# Altium PCB LJ_Mosfet_Power.PcbDoc (part 1 of 5)
Units mm, origin at the board's own origin, x right, y up, seen from the top; angles counter-clockwise.
Board outline 152.51 x 130.13 mm, 2 copper layers (Top Layer, Bottom Layer); 337 components, 193 nets, 1586 pads, 1491 vias.
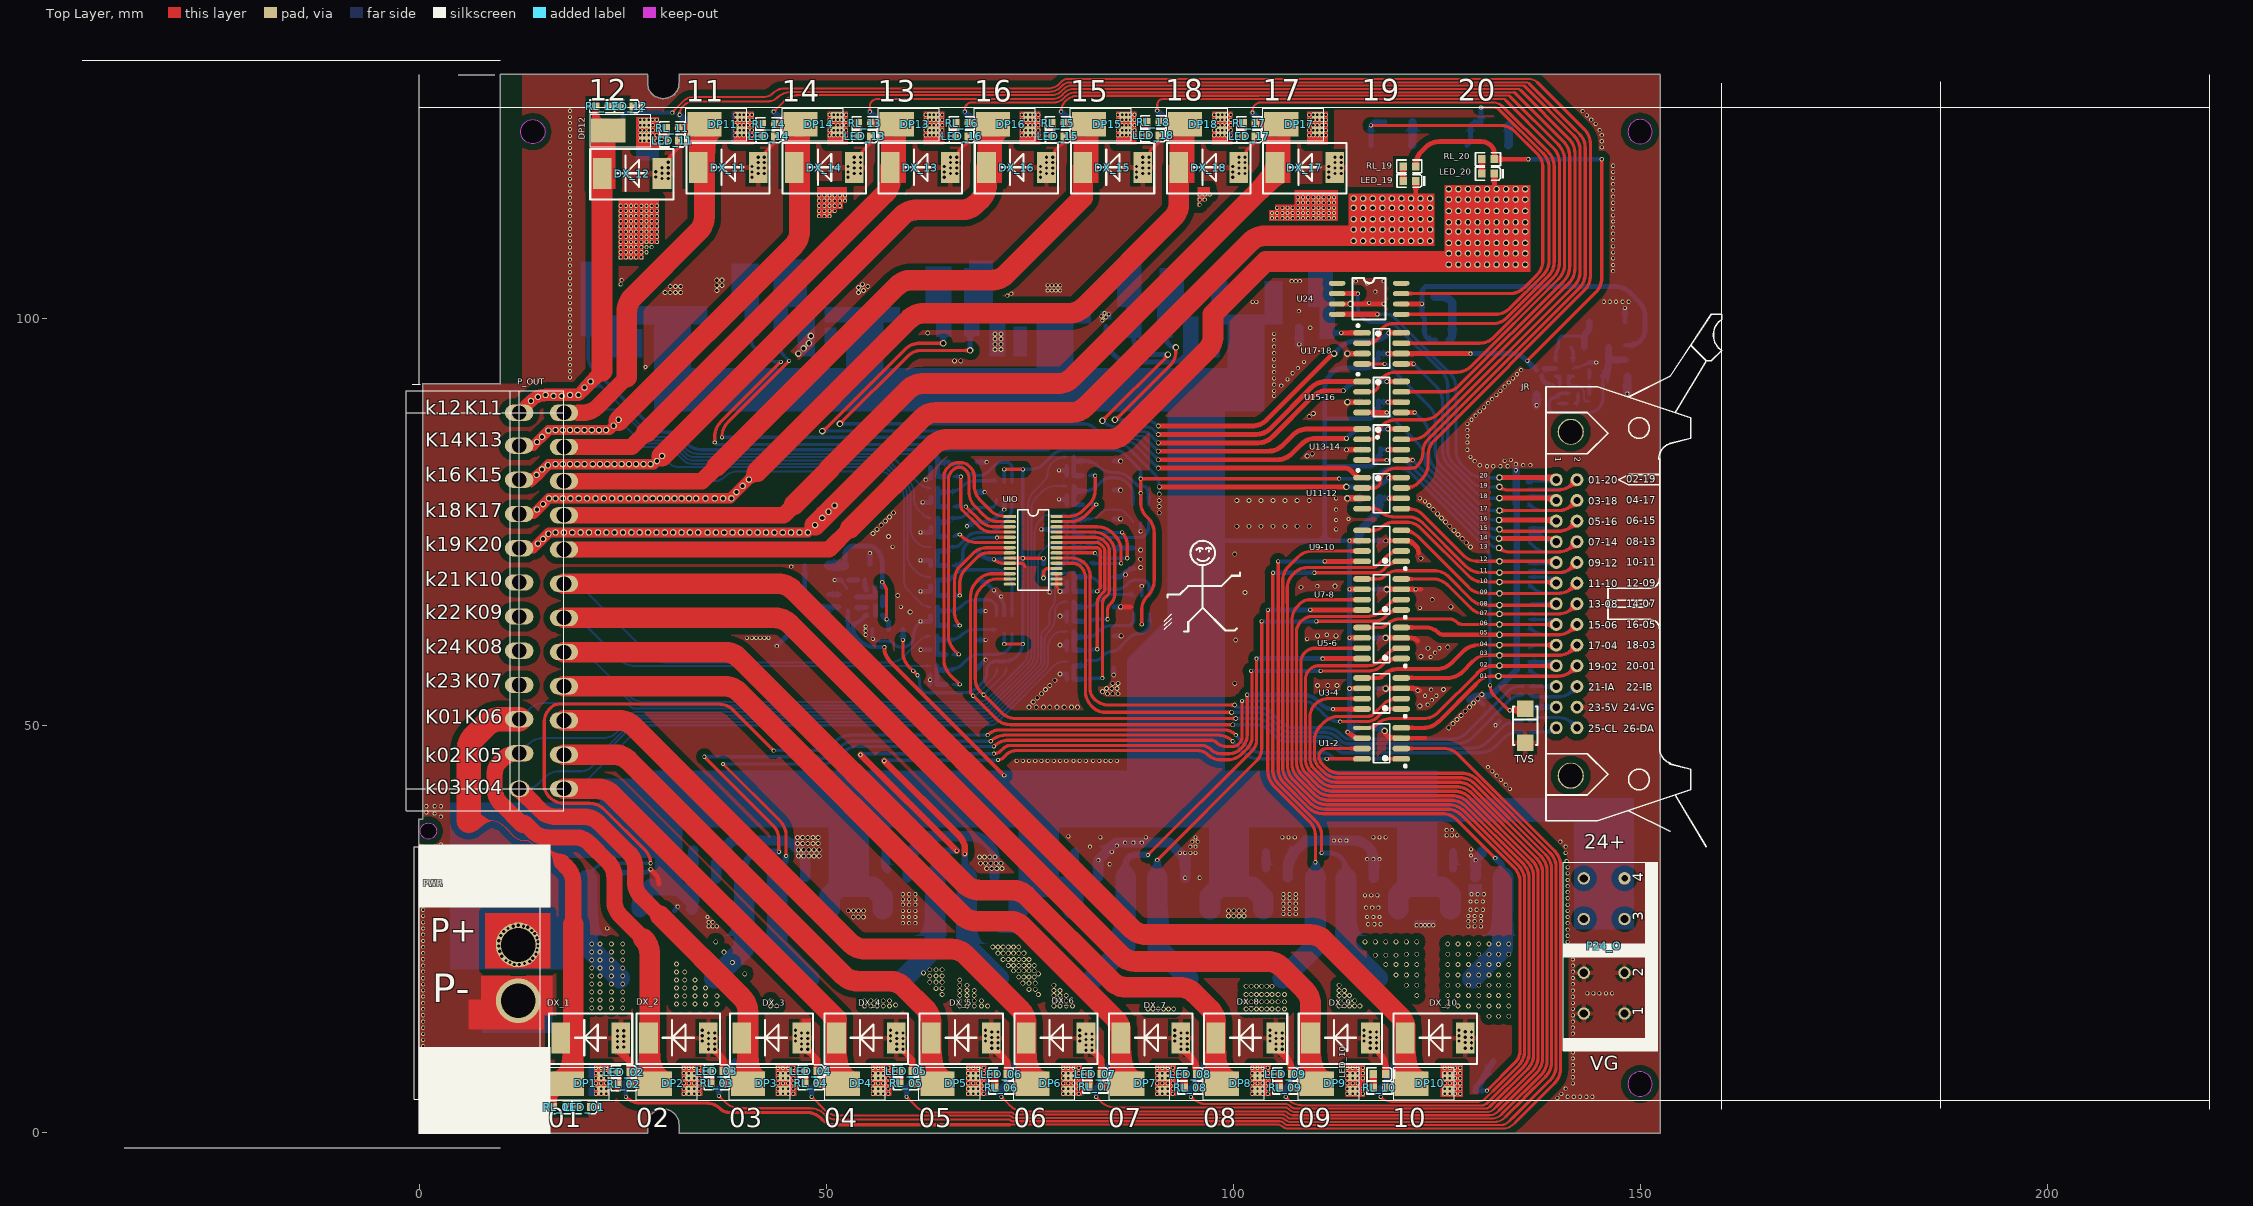
[diagram p0: Top Layer view]
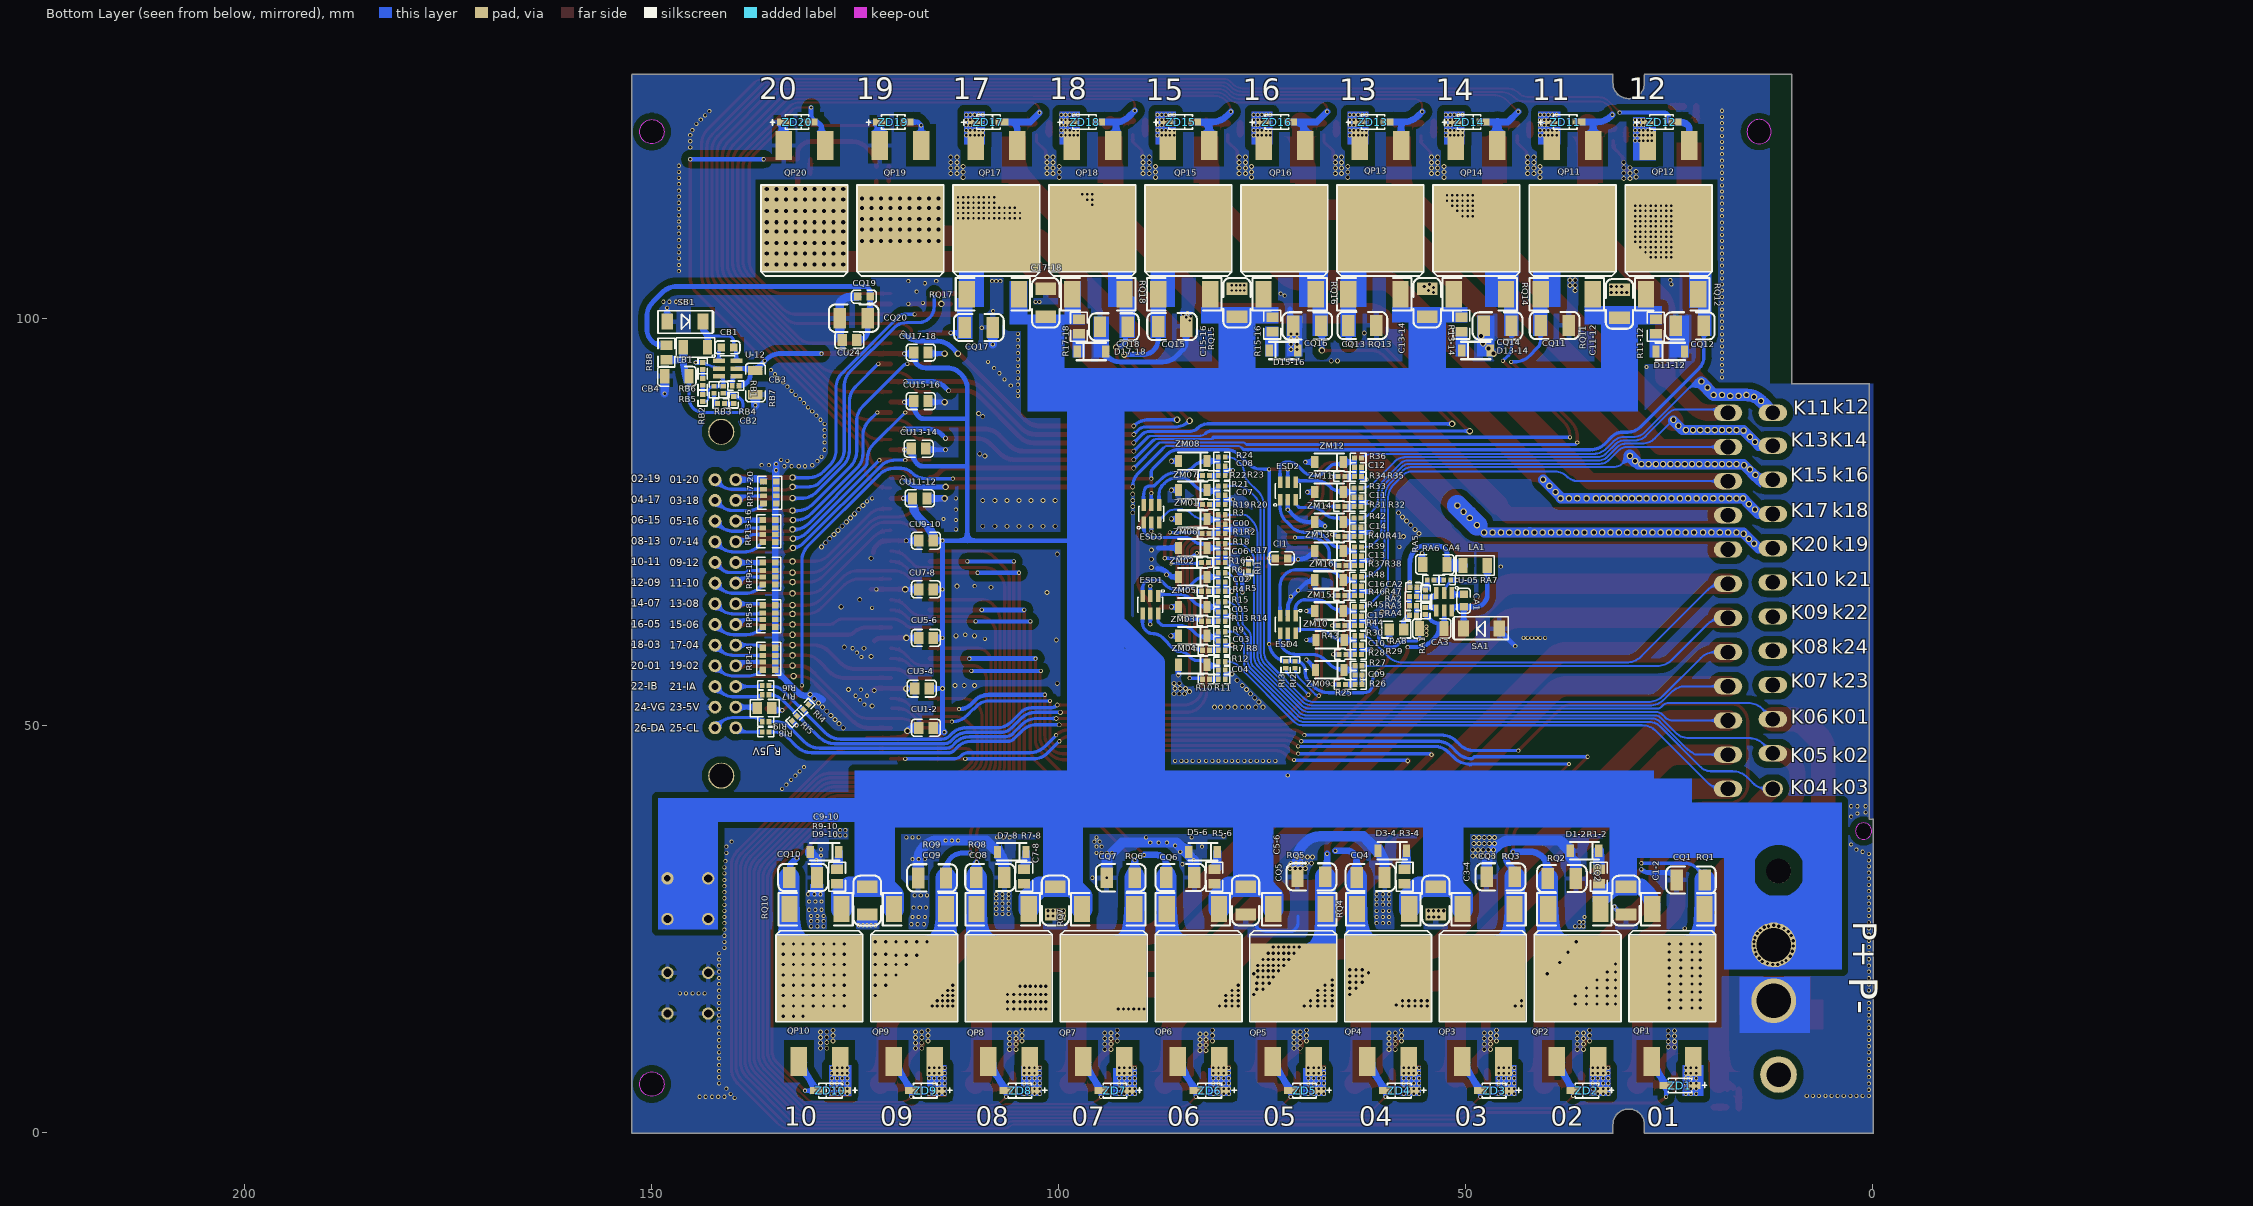
[diagram p1: Bottom Layer view, seen from below]
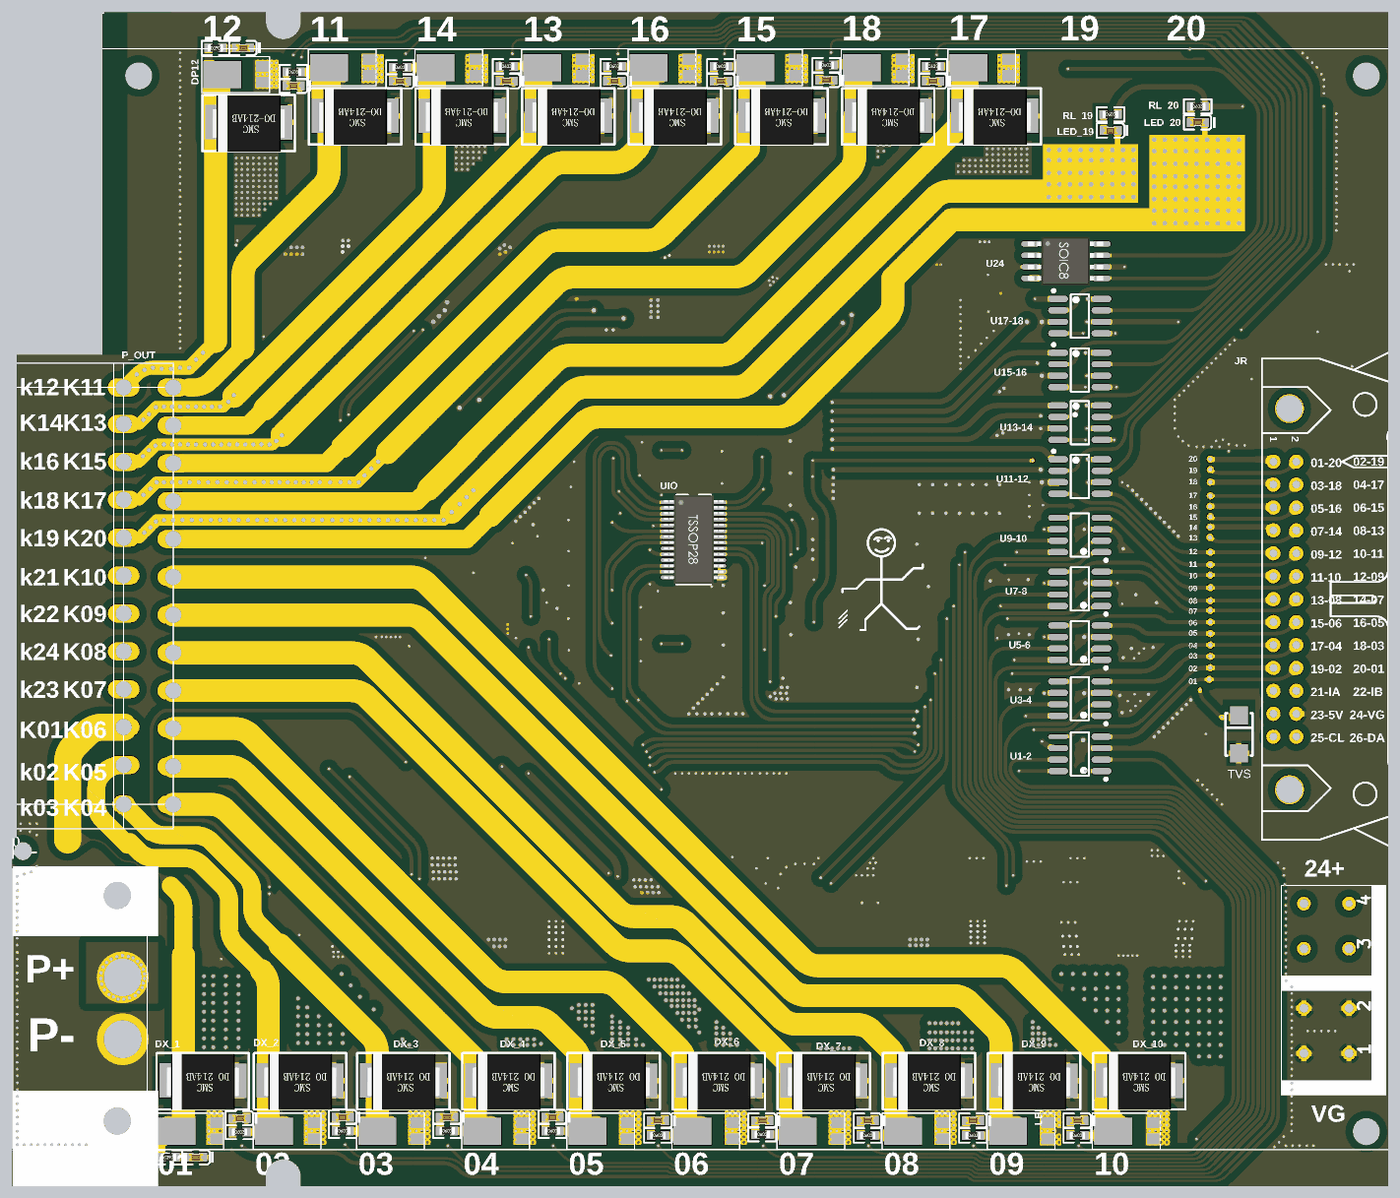
[diagram p6: 3D render of the assembled board from above, using the file's embedded part models]
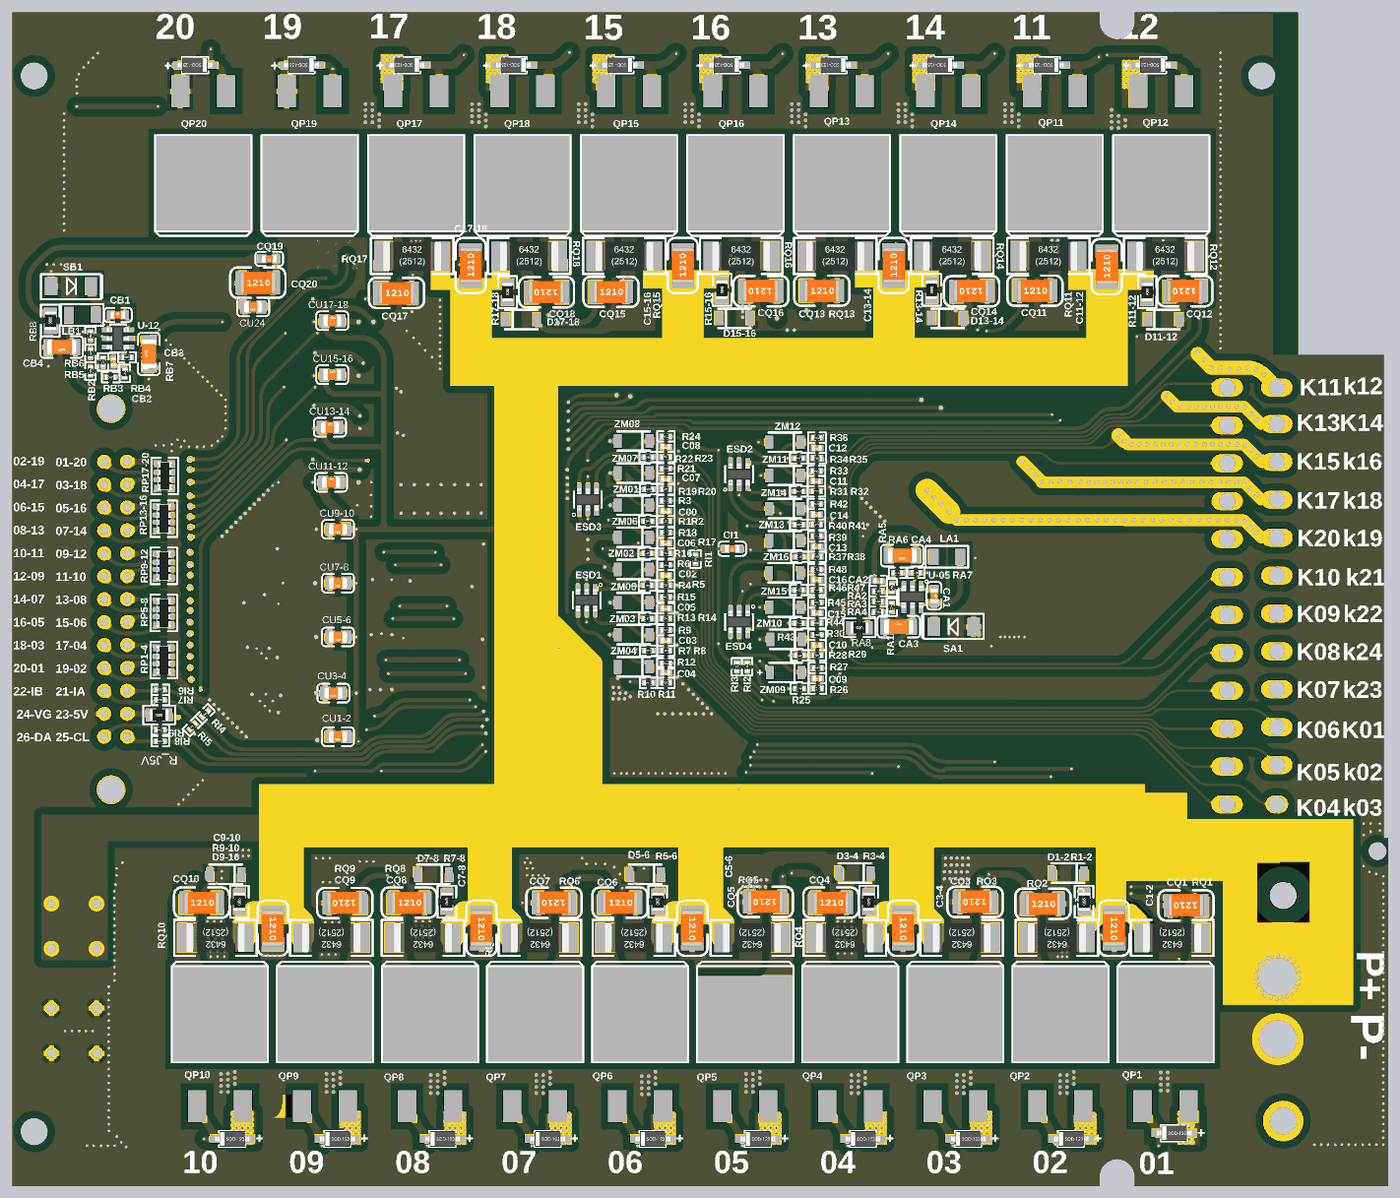
[diagram p7: 3D render of the assembled board from below, using the file's embedded part models]

## Layer stack, top to bottom
Top Solder: solder mask 0.0102, Solder Resist, Dk 3.5
Top Layer: signal copper 0.0356
Dielectric 1: dielectric 0.32, FR-4, Dk 4.8
Bottom Layer: signal copper 0.0356
Bottom Solder: solder mask 0.0102, Solder Resist, Dk 3.5

## Board outline
-0.064,0 -0.064,38.481 cw(c0,38.481) 0.008,38.544 cw(c0.016,38.481) 0.016,38.545 0.436,38.545 0.436,92 cw(c0.5,92) 0.5,92.064 9.969,92.064 9.969,130 cw(c10.033,130) 10.049,130.062 cw(c10.065,130) 10.065,130.064 28,130.064 cw(c28,130) 28.064,130 28.064,129.004 cw(c28,129) 28.064,129 ccw(c30,129) 31.936,129 cw(c32,129) 31.936,129.004 31.936,130 cw(c32,130) 32,130.064 152.38,130.064 cw(c152.38,130) 152.444,130 152.444,0 cw(c152.38,0) 152.38,-0.064 32.004,-0.064 cw(c32.004,0) 31.94,0 31.94,0.977 cw(c32,1) 31.936,1 ccw(c30,1) 28.064,1 cw(c28,1) 28.064,0.996 28.064,0 cw(c28,0) 28,-0.064 0,-0.064 cw(c0,0)
cut-out: 148.5,6 ccw(c150,6) 150,4.5 ccw(c150,6) 151.5,6 ccw(c150,6) 150,7.5 ccw(c150,6)
cut-out: 148.5,123 ccw(c150,123) 150,121.5 ccw(c150,123) 151.5,123 ccw(c150,123) 150,124.5 ccw(c150,123)
cut-out: 13.97,121.5 cw(c13.97,123) 12.47,123 cw(c13.97,123) 13.97,124.5 cw(c13.97,123) 15.47,123 cw(c13.97,123)
cut-out: 1.143,36.084 cw(c1.143,37.084) 0.143,37.084 cw(c1.143,37.084) 1.143,38.084 cw(c1.143,37.084) 2.143,37.084 cw(c1.143,37.084)

## Design rules (kind name [scope] priority, off if disabled: settings)
Clearance "Bottom Layer-VG-CLE" [InNamedPolygon('Bottom Layer-VG')] p1: gap=0.8 ignorepadtopadclearanceinfootprint=FALSE except(0: Arc-Text Arc-Hole Track-Text Track-Hole SMDPad-Text SMDPad-Hole THPad-Text THPad-Hole Via-Text Via-Hole Fill-Text Fill-Hole Poly-Text Poly-Hole Region-Text Region-Hole Text-Text Text-Hole)
Clearance "Top Layer-VG-CLE" [InNamedPolygon('Top Layer-VG')] p2: gap=0.8 ignorepadtopadclearanceinfootprint=FALSE except(0: Arc-Text Arc-Hole Track-Text Track-Hole SMDPad-Text SMDPad-Hole THPad-Text THPad-Hole Via-Text Via-Hole Fill-Text Fill-Hole Poly-Text Poly-Hole Region-Text Region-Hole Text-Text Text-Hole)
Clearance [All] p3: gap=0.152 ignorepadtopadclearanceinfootprint=FALSE except(0: Arc-Text Arc-Hole Track-Text Track-Hole SMDPad-Text SMDPad-Hole THPad-Text THPad-Hole Via-Text Via-Hole Fill-Text Fill-Hole Poly-Text Poly-Hole Region-Text Region-Hole Text-Text Text-Hole)
HoleSize [All] p1: absolutevalues=TRUE maxlimit=50.8 minlimit=0.254 maxpercent=80.000 minpercent=20.000
HoleToHoleClearance [All] p1: gap=0.152 allowstackedmicrovias=TRUE
PolygonConnect "Bottom Layer-VG-STY" [All vs IsNamedPolygon('Bottom Layer-VG')] p1: thpad.connectstyle=Relief thpad.reliefconductorwidth=0.6 thpad.reliefentries=4 thpad.polygonreliefangle="90 Angle" thpad.airgapwidth=0.4 smdpad.connectstyle=Relief smdpad.reliefconductorwidth=0.6 smdpad.reliefentries=4 smdpad.polygonreliefangle="90 Angle" smdpad.airgapwidth=0.4 via.connectstyle=Direct via.reliefconductorwidth=0.254 via.reliefentries=4 via.polygonreliefangle="90 Angle" via.airgapwidth=0.254
PolygonConnect "Top Layer-VG-STY" [All vs IsNamedPolygon('Top Layer-VG')] p2: thpad.connectstyle=Relief thpad.reliefconductorwidth=0.6 thpad.reliefentries=4 thpad.polygonreliefangle="90 Angle" thpad.airgapwidth=0.4 smdpad.connectstyle=Relief smdpad.reliefconductorwidth=0.6 smdpad.reliefentries=4 smdpad.polygonreliefangle="90 Angle" smdpad.airgapwidth=0.4 via.connectstyle=Direct via.reliefconductorwidth=0.6 via.reliefentries=4 via.polygonreliefangle="90 Angle" via.airgapwidth=0.4
PolygonConnect [All] p3: connectstyle=Relief reliefconductorwidth=0.254 reliefentries=4 polygonreliefangle="90 Angle" airgapwidth=0.254
RoomDefinition LJ_Mosfet_Power [InComponentClass('LJ_Mosfet_Power')] p1: confinementstyle=ConfineOut formatcopy=TRUE lockcomponents=FALSE outline 34.417,138.287 74.422,138.287 74.422,146.05 34.417,146.05
RoutingVias [All] p1: holewidth=0.3 width=0.5 viastyle="Through Hole" minholewidth=0.3 minwidth=0.5 maxholewidth=25.4 maxwidth=25.4
SilkToSilkClearance [All] p1: silktosilkclearance=0
SilkToSolderMaskClearance [IsPad] p1: minsilkscreentomaskgap=0 clearancetoexposedcopper=TRUE
SolderMaskExpansion [All] p1: expansion=0.102
UnRoutedNet [All] p1: checkbadconnections=TRUE
Width [All] p1: maxlimit=25.4 minlimit=0.152 preferedwidth=0.254
25 further rules are at their usual default settings.

## Components (designator, comment, footprint, x,y, rotation, side; value= is the part's Value field where it differs from the comment)
C00 "100nF (104) 10% 16V" 0402_C 79.994,74.787 r0 bottom
C1-2 "10UF" C1210 30.48,28.686 r270 bottom
C02 "100nF (104) 10% 16V" 0402_C 79.994,67.675 r0 bottom
C03 "100nF (104) 10% 16V" 0402_C 79.994,60.436 r0 bottom
C3-4 "10UF" C1210 53.848,28.686 r270 bottom
C04 "100nF (104) 10% 16V" 0402_C 79.994,56.88 r0 bottom
C05 "100nF (104) 10% 16V" 0402_C 79.994,63.992 r0 bottom
C5-6 "10UF" C1210 77.216,28.686 r270 bottom
C06 "100nF (104) 10% 16V" 0402_C 79.994,71.231 r0 bottom
C07 "100nF (104) 10% 16V" 0402_C 79.994,78.343 r0 bottom
C7-8 "10UF" C1210 100.584,28.686 r270 bottom
C08 "100nF (104) 10% 16V" 0402_C 79.994,81.899 r0 bottom
C09 "100nF (104) 10% 16V" 0402_C 63.202,56.245 r0 bottom
C9-10 "10UF" C1210 123.698,28.686 r270 bottom
C10 "100nF (104) 10% 16V" 0402_C 63.23,59.928 r0 bottom
C11 "100nF (104) 10% 16V" 0402_C 63.312,78.089 r0 bottom
C11-12 "10UF" C1210 30.988,101.711 r90 bottom locked
C12 "100nF (104) 10% 16V" 0402_C 63.246,81.772 r0 bottom
C13 "100nF (104) 10% 16V" 0402_C 63.268,70.85 r0 bottom
C13-14 "10UF" C1210 54.61,101.838 r90 bottom
C14 "100nF (104) 10% 16V" 0402_C 63.312,74.406 r0 bottom
C15 "100nF (104) 10% 16V" 0402_C 63.246,63.484 r0 bottom
C15-16 "10UF" C1210 77.978,101.838 r90 bottom
C16 "100nF (104) 10% 16V" 0402_C 63.274,67.167 r0 bottom
C17-18 "10UF" C1210 101.473,101.838 r90 bottom
CA1 "1uF (105) 10% 50V" 0603_C 50.258,65.389 r270 bottom
CA2 "47pF (470) 5% 50V" 0402_C 56.437,67.04 r0 bottom
CA3 "10uF (106) 10% 50V" 1206_C 54.195,61.96 r180 bottom
CA4 "10uF (106) 10% 50V" 1206_C 53.814,69.834 r0 bottom
CB1 "1uF (105) 10% 50V" 0603_C 140.716,96.504 r180 bottom
CB2 "33pF (330) 5% 50V" 0402_C 141.224,91.297 r270 bottom
CB3 "10uF (106) 10% 50V" 1206_C 137.287,92.186 r90 bottom
CB4 "10uF (106) 10% 50V" 1206_C 146.939,92.948 r0 bottom
CI1 "100nF (104) 10% 50V" 0603_C 72.644,70.596 r0 bottom
CQ1 "10UF" C1210 22.225,31.226 r0 bottom
CQ2 "10UF" C1210 38.354,31.099 r180 bottom
CQ3 "10UF" C1210 45.593,31.607 r0 bottom
CQ4 "10UF" C1210 61.849,31.226 r180 bottom
CQ5 "10UF" C1210 68.834,31.607 r0 bottom
CQ6 "10UF" C1210 85.217,31.226 r180 bottom
CQ7 "10UF" C1210 92.253,31.505 r0 bottom
CQ8 "10UF" C1210 108.585,31.226 r180 bottom
CQ9 "10UF" C1210 115.443,31.48 r0 bottom
CQ10 "10UF" C1210 131.572,31.226 r180 bottom
CQ11 "10UF" C1210 39.243,99.044 r180 bottom
CQ12 "10UF" C1210 22.352,99.298 r0 bottom
CQ13 "10UF" C1210 62.865,99.044 r180 bottom
CQ14 "10UF" C1210 45.974,99.298 r0 bottom
CQ15 "10UF" C1210 86.233,98.917 r180 bottom
CQ16 "10UF" C1210 69.342,99.298 r0 bottom
CQ17 "10UF" C1210 109.982,98.79 r180 bottom
CQ18 "10UF" C1210 93.091,99.171 r0 bottom
CQ19 "100nF (104) 10% 50V" 0603_C 123.952,102.727 r0 bottom
CQ20 "10UF" C1210 125.349,99.933 r180 bottom
CU1-2 "1uF (105) 10% 50V" 0805_C 116.332,49.768 r0 bottom
CU3-4 "1uF (105) 10% 50V" 0805_C 116.84,54.594 r0 bottom
CU5-6 "1uF (105) 10% 50V" 0805_C 116.332,60.817 r0 bottom
CU7-8 "1uF (105) 10% 50V" 0805_C 116.332,66.786 r0 bottom
CU9-10 "1uF (105) 10% 50V" 0805_C 116.332,72.755 r0 bottom
CU11-12 "1uF (105) 10% 50V" 0805_C 117.094,77.962 r180 bottom
CU13-14 "1uF (105) 10% 50V" 0805_C 117.221,84.058 r180 bottom
CU15-16 "1uF (105) 10% 50V" 0805_C 116.967,89.9 r180 bottom
CU17-18 "1uF (105) 10% 50V" 0805_C 116.967,95.869 r180 bottom
CU24 "1uF (105) 10% 50V" 0805_C 125.73,97.393 r0 bottom
D1-2 "ZMM5255B" LL-34 35.433,34.655 r0 bottom
D3-4 "ZMM5255B" LL-34 59.055,34.655 r0 bottom
D5-6 "ZMM5255B" LL-34 82.296,34.528 r0 bottom
D7-8 "ZMM5255B" LL-34 105.791,34.528 r0 bottom
D9-10 "ZMM5255B" LL-34 128.778,34.528 r0 bottom
D11-12 "ZMM5255B" LL-34 24.892,95.996 r180 bottom
D13-14 "ZMM5255B" LL-34 48.768,96.123 r180 bottom
D15-16 "ZMM5255B" LL-34 72.39,96.123 r180 bottom
D17-18 "ZMM5255B" LL-34 96.012,95.996 r180 bottom
DP1 "15A 200V" TO-277B 15.875,4.048 r0 top
DP2 "15A 200V" TO-277B 26.67,4.048 r0 top
DP3 "15A 200V" TO-277B 38.113,4.048 r0 top
DP4 "15A 200V" TO-277B 49.76,4.048 r0 top
DP5 "15A 200V" TO-277B 61.408,4.048 r0 top
DP6 "15A 200V" TO-277B 73.056,4.048 r0 top
DP7 "15A 200V" TO-277B 84.704,4.048 r0 top
DP8 "15A 200V" TO-277B 96.351,4.048 r0 top
DP9 "15A 200V" TO-277B 107.999,4.048 r0 top
DP10 "15A 200V" TO-277B 119.647,4.048 r0 top
DP11 "15A 200V" TO-277B 32.766,121.904 r0 top
DP12 "15A 200V" TO-277B 20.955,121.142 r0 top
DP13 "15A 200V" TO-277B 56.388,121.904 r0 top
DP14 "15A 200V" TO-277B 44.577,121.904 r0 top
DP15 "15A 200V" TO-277B 80.01,121.904 r0 top
DP16 "15A 200V" TO-277B 68.199,121.904 r0 top
DP17 "15A 200V" TO-277B 103.632,121.904 r0 top
DP18 "15A 200V" TO-277B 91.821,121.904 r0 top
DX_1 "US5M" SMC 24.765,11.643 r180 top
DX_2 "US5M" SMC 35.547,11.643 r180 top
DX_3 "US5M" SMC 46.99,11.643 r180 top
DX_4 "US5M" SMC 58.638,11.643 r180 top
DX_5 "US5M" SMC 70.285,11.643 r180 top
DX_6 "US5M" SMC 81.933,11.643 r180 top
DX_7 "US5M" SMC 93.581,11.643 r180 top
DX_8 "US5M" SMC 105.229,11.643 r180 top
DX_9 "US5M" SMC 116.876,11.643 r180 top
DX_10 "US5M" SMC 128.524,11.643 r180 top
DX_11 "US5M" SMC 41.643,118.577 r180 top
DX_12 "US5M" SMC 29.845,117.84 r180 top
DX_13 "US5M" SMC 65.265,118.577 r180 top
DX_14 "US5M" SMC 53.454,118.577 r180 top
DX_15 "US5M" SMC 88.887,118.577 r180 top
DX_16 "US5M" SMC 77.076,118.577 r180 top
DX_17 "US5M" SMC 112.509,118.577 r180 top
DX_18 "US5M" SMC 100.698,118.577 r180 top
ESD1 "SRV05-4-P-T7" SOT23-6 88.773,64.881 r180 bottom
ESD2 "SRV05-4-P-T7" SOT23-6 71.882,78.851 r0 bottom
ESD3 "SRV05-4-P-T7" SOT23-6 88.646,76.057 r0 bottom
ESD4 "SRV05-4-P-T7" SOT23-6 71.882,62.468 r180 bottom
JR "Header 13X2" FKV26HR 139.7,80.248 r270 top locked
LA1 "4.7uH  ±10%" 1206_L 48.861,69.707 r0 bottom
LB1 "10uH ±10%" 1206_L 144.653,96.504 r0 bottom
LED_01 "红灯 0603" 0603_LED_S1 20.32,3.159 r180 top
LED_02 "红灯 0603" 0603_LED_S1 25.146,7.477 r180 top
LED_03 "红灯 0603" 0603_LED_S1 36.576,7.604 r180 top
LED_04 "红灯 0603" 0603_LED_S1 48.133,7.604 r180 top
LED_05 "红灯 0603" 0603_LED_S1 59.817,7.604 r180 top
LED_06 "红灯 0603" 0603_LED_S1 71.501,7.223 r180 top
LED_07 "红灯 0603" 0603_LED_S1 83.058,7.223 r180 top
LED_08 "红灯 0603" 0603_LED_S1 94.742,7.223 r180 top
LED_09 "红灯 0603" 0603_LED_S1 106.426,7.223 r180 top
LED_10 "红灯 0603" 0603_LED_S1 117.983,7.223 r180 top
LED_11 "红灯 0603" 0603_LED_S1 31.115,121.904 r180 top
LED_12 "红灯 0603" 0603_LED_S1 25.527,126.095 r180 top
LED_13 "红灯 0603" 0603_LED_S1 54.737,122.412 r180 top
LED_14 "红灯 0603" 0603_LED_S1 42.926,122.412 r180 top
LED_15 "红灯 0603" 0603_LED_S1 78.486,122.412 r180 top
LED_16 "红灯 0603" 0603_LED_S1 66.675,122.412 r180 top
LED_17 "红灯 0603" 0603_LED_S1 101.981,122.412 r180 top
LED_18 "红灯 0603" 0603_LED_S1 90.17,122.539 r180 top
LED_19 "红灯 0603" 0603_LED_S1 121.666,116.951 r180 top
LED_20 "红灯 0603" 0603_LED_S1 131.318,117.84 r180 top
P24_O "Header 4" KF235-5.0-4P 150.582,11.673 r90 top
P_OUT "Header 12X2" 5569_24P -1.6,91.17 r270 top